# Altium PCB 2-quilter-output.PcbDoc (part 5 of 26)
Units mil, origin at the board's own origin, x right, y up, seen from the top; angles counter-clockwise.
Board outline 4130.55 x 4250 mil, 8 copper layers (L1, Ground L2, L3, Power L4, Ground L5, L6, Ground L7, L8), stack 62.985 mil thick; 591 components, 494 nets, 2245 pads, 1508 vias.
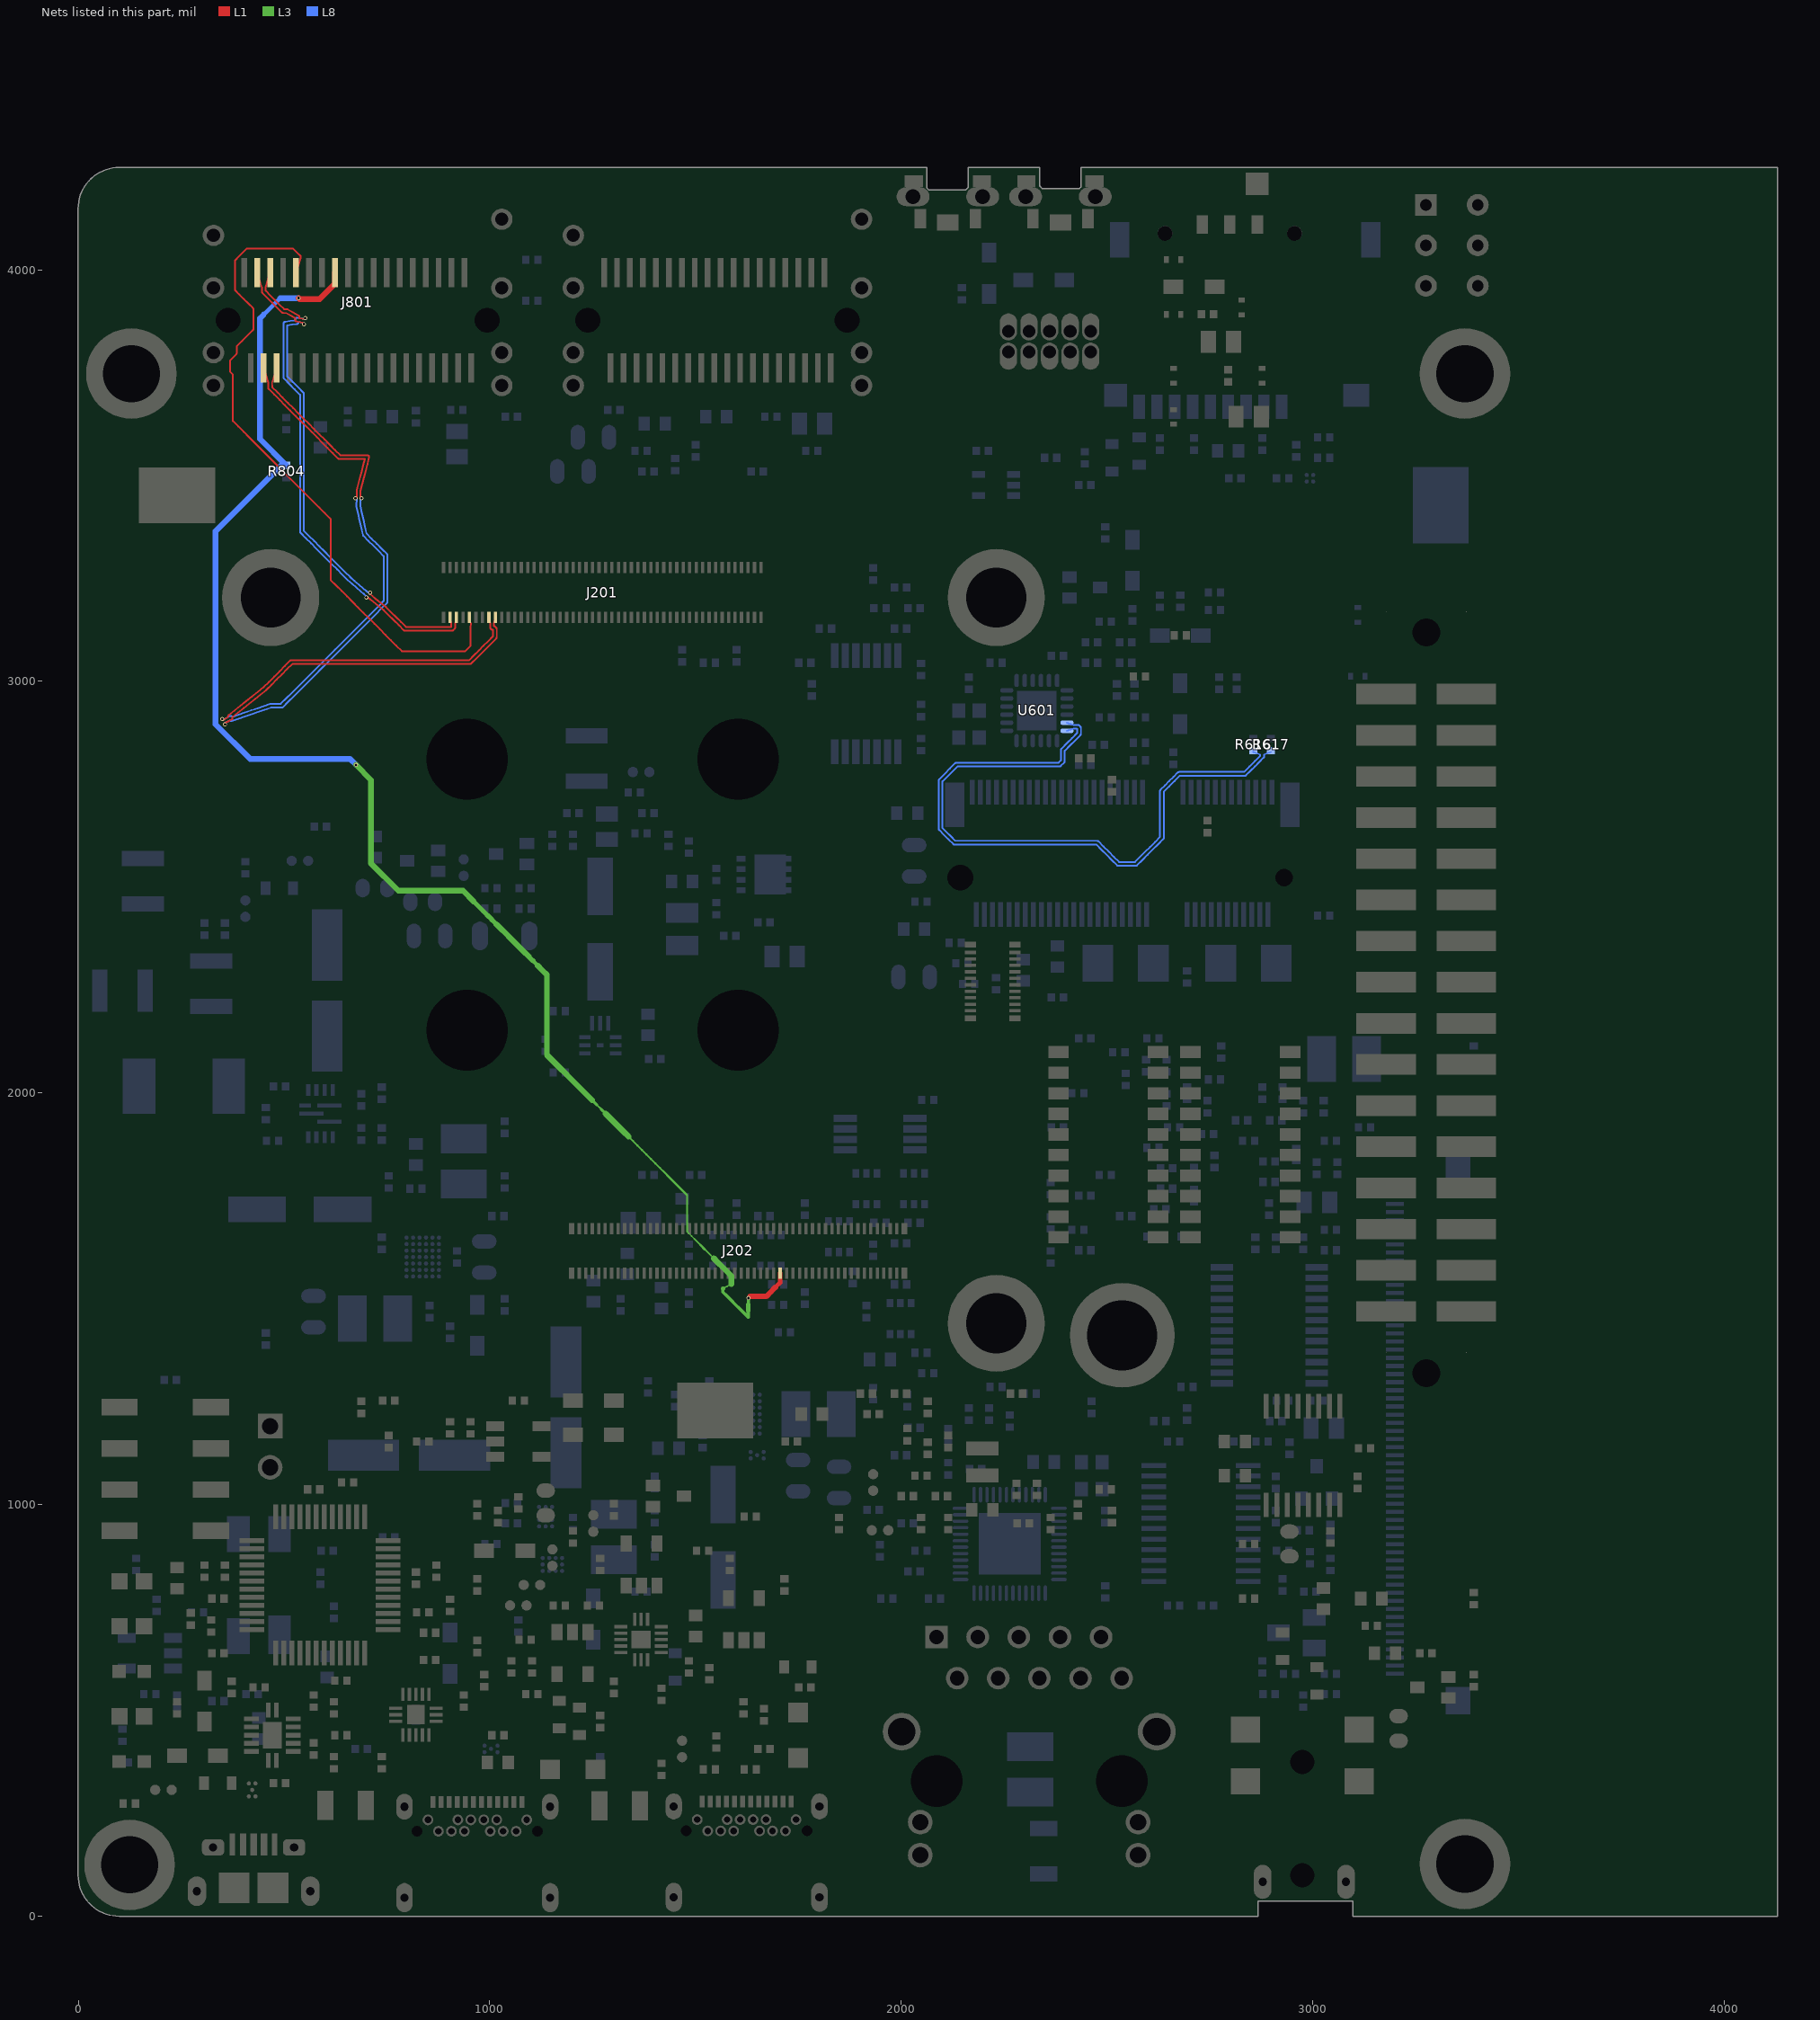
[diagram p11: the nets of this part, all layers, seen from the top]

## Via types
v1: diameter 9.85, hole 5.91, L1 to L8, tented both sides, 1508 vias

## Nets (pads, with @x,y where several pads share a name; then routed paths per layer and width w, separated by ;. In a path a pad name is that pad's centre, name@x,y a point inside that pad or via, vN(x,y) a via of type N, cw(c..) or ccw(c..) an arc to the next point about the centre after c; other vN are vias at no path point) (continued)
DIF1_N: R617.1 U601.18 | length 1581.6
  L8 w4.28: U601.18@2403.41,2879.65 2419.45,2884.85 2427.45,2884.84 2428.05,2884.25 2428.05,2874.35 2415.37,2861.67 2402.69,2848.99 2390.01,2836.31 2389.93,2836.23 2389.84,2836.14 2389.76,2836.04 2389.69,2835.95 2389.61,2835.85 2389.54,2835.76 2389.47,2835.66 2389.4,2835.56 2389.33,2835.45 2389.27,2835.35 2389.21,2835.24 2389.16,2835.13 2389.1,2835.02 2389.05,2834.91 2389,2834.8 2388.96,2834.69 2388.92,2834.57 2388.88,2834.46 2388.84,2834.34 2388.81,2834.22 2388.78,2834.1 2388.75,2833.99 2388.73,2833.87 2388.71,2833.75 2388.69,2833.63 2388.68,2833.5 2388.67,2833.38 2388.66,2833.26 2388.65,2833.14 2388.65,2833.03 2388.65,2820.45 2388.65,2807.88 2383.18,2802.4 2364.1,2802.4 2345.03,2802.4 2325.95,2802.4 2306.88,2802.4 2287.8,2802.4 2268.72,2802.4 2249.65,2802.4 2230.57,2802.4 2211.5,2802.4 2192.42,2802.4 2173.35,2802.4 2154.27,2802.4 2135.19,2802.4 2135.07,2802.4 2134.95,2802.4 2134.83,2802.39 2134.71,2802.38 2134.59,2802.36 2134.47,2802.34 2134.35,2802.32 2134.23,2802.3 2134.11,2802.27 2133.99,2802.24 2133.87,2802.21 2133.76,2802.17 2133.64,2802.13 2133.53,2802.09 2133.41,2802.05 2133.3,2802 2133.19,2801.95 2133.08,2801.89 2132.97,2801.84 2132.87,2801.78 2132.76,2801.71 2132.66,2801.65 2132.56,2801.58 2132.46,2801.51 2132.36,2801.44 2132.26,2801.36 2132.17,2801.28 2132.08,2801.2 2131.99,2801.12 2131.91,2801.04 2118.89,2788.02 2105.86,2774.99 2092.84,2761.97 2092.75,2761.88 2092.67,2761.79 2092.59,2761.7 2092.51,2761.61 2092.44,2761.51 2092.37,2761.41 2092.29,2761.31 2092.23,2761.21 2092.16,2761.11 2092.1,2761 2092.04,2760.9 2091.98,2760.79 2091.93,2760.68 2091.88,2760.57 2091.83,2760.46 2091.79,2760.34 2091.74,2760.23 2091.71,2760.11 2091.67,2760 2091.64,2759.88 2091.61,2759.76 2091.58,2759.64 2091.56,2759.52 2091.54,2759.4 2091.52,2759.28 2091.51,2759.16 2091.49,2759.04 2091.49,2758.92 2091.48,2758.8 2091.48,2758.69 2091.48,2741.97 2091.48,2725.25 2091.48,2708.53 2091.48,2691.8 2091.48,2675.08 2091.48,2658.36 2091.48,2641.64 2091.48,2641.52 2091.49,2641.4 2091.5,2641.28 2091.51,2641.15 2091.52,2641.03 2091.54,2640.91 2091.56,2640.79 2091.58,2640.67 2091.61,2640.55 2091.64,2640.44 2091.67,2640.32 2091.71,2640.2 2091.75,2640.09 2091.79,2639.97 2091.84,2639.86 2091.89,2639.75 2091.94,2639.64 2091.99,2639.53 2092.05,2639.42 2092.11,2639.31 2092.17,2639.21 2092.24,2639.1 2092.3,2639 2092.37,2638.9 2092.45,2638.81 2092.52,2638.71 2092.6,2638.62 2092.68,2638.53 2092.76,2638.44 2092.84,2638.36 2104.1,2627.1 2115.36,2615.84 2126.62,2604.58 2126.71,2604.49 2126.8,2604.41 2126.89,2604.33 2126.98,2604.25 2127.08,2604.18 2127.18,2604.1 2127.28,2604.03 2127.38,2603.97 2127.48,2603.9 2127.59,2603.84 2127.69,2603.78 2127.8,2603.72 2127.91,2603.67 2128.02,2603.62 2128.13,2603.57 2128.25,2603.53 2128.36,2603.48 2128.48,2603.44 2128.59,2603.41 2128.71,2603.38 2128.83,2603.35 2128.95,2603.32 2129.07,2603.3 2129.19,2603.28 2129.31,2603.26 2129.43,2603.24 2129.55,2603.23 2129.67,2603.23 2129.79,2603.22 2129.9,2603.22 2148.04,2603.22 2166.17,2603.22 2184.31,2603.22 2202.45,2603.22 2220.58,2603.22 2238.72,2603.22 2256.86,2603.22 2274.99,2603.22 2293.13,2603.22 2311.27,2603.22 2329.4,2603.22 2347.54,2603.22 2365.68,2603.22 2383.81,2603.22 2401.95,2603.22 2420.09,2603.22 2438.22,2603.22 2456.36,2603.22 2474.5,2603.22 2487.05,2590.66 2499.61,2578.11 2512.16,2565.55 2524.72,2552.99 2524.81,2552.91 2524.9,2552.83 2524.99,2552.75 2525.08,2552.67 2525.18,2552.59 2525.28,2552.52 2525.38,2552.45 2525.48,2552.38 2525.58,2552.32 2525.68,2552.26 2525.79,2552.2 2525.9,2552.14 2526.01,2552.09 2526.12,2552.03 2526.23,2551.99 2526.35,2551.94 2526.46,2551.9 2526.58,2551.86 2526.69,2551.82 2526.81,2551.79 2526.93,2551.76 2527.05,2551.74 2527.17,2551.71 2527.29,2551.69 2527.41,2551.67 2527.53,2551.66 2527.65,2551.65 2527.77,2551.64 2527.89,2551.64 2528,2551.64 2542.14,2551.64 2556.28,2551.64 2570.42,2551.64 2570.54,2551.64 2570.66,2551.64 2570.78,2551.65 2570.9,2551.66 2571.02,2551.68 2571.14,2551.69 2571.26,2551.71 2571.38,2551.74 2571.5,2551.77 2571.62,2551.8 2571.74,2551.83 2571.86,2551.86 2571.97,2551.9 2572.09,2551.95 2572.2,2551.99 2572.31,2552.04 2572.42,2552.09 2572.53,2552.15 2572.64,2552.2 2572.74,2552.26 2572.85,2552.33 2572.95,2552.39 2573.05,2552.46 2573.15,2552.53 2573.25,2552.6 2573.35,2552.68 2573.44,2552.76 2573.53,2552.84 2573.62,2552.92 2573.7,2552.99 2586.43,2565.73 2599.17,2578.47 2611.91,2591.21 2624.65,2603.94 2637.38,2616.68 2637.47,2616.77 2637.55,2616.86 2637.63,2616.95 2637.71,2617.04 2637.78,2617.14 2637.86,2617.24 2637.93,2617.34 2638,2617.44 2638.06,2617.54 2638.12,2617.65 2638.18,2617.75 2638.24,2617.86 2638.29,2617.97 2638.34,2618.08 2638.39,2618.19 2638.44,2618.31 2638.48,2618.42 2638.52,2618.54 2638.55,2618.65 2638.59,2618.77 2638.62,2618.89 2638.64,2619.01 2638.67,2619.13 2638.69,2619.25 2638.7,2619.37 2638.72,2619.49 2638.73,2619.61 2638.74,2619.73 2638.74,2619.85 2638.74,2619.96 2638.74,2638.55 2638.74,2657.14 2638.74,2675.74 2638.74,2694.33 2638.74,2712.92 2638.74,2731.51 2651.69,2744.46 2664.64,2757.41 2677.59,2770.36 2695.12,2770.36 2712.65,2770.36 2730.18,2770.36 2747.71,2770.36 2765.24,2770.36 2782.76,2770.36 2800.29,2770.36 2817.82,2770.36 2835.35,2770.36 2835.47,2770.36 2835.59,2770.37 2835.72,2770.37 2835.84,2770.39 2835.96,2770.4 2836.08,2770.42 2836.2,2770.44 2836.32,2770.46 2836.44,2770.49 2836.56,2770.52 2836.67,2770.55 2836.79,2770.59 2836.9,2770.63 2837.02,2770.67 2837.13,2770.72 2837.24,2770.76 2837.36,2770.82 2837.46,2770.87 2837.57,2770.93 2837.68,2770.99 2837.78,2771.05 2837.89,2771.11 2837.99,2771.18 2838.09,2771.25 2838.18,2771.33 2838.28,2771.4 2838.37,2771.48 2838.47,2771.56 2838.55,2771.64 2838.63,2771.72 2849.23,2782.32 2859.83,2792.92 2870.44,2803.52 2881.04,2814.12 2881.12,2814.21 2881.2,2814.3 2881.28,2814.39 2881.36,2814.49 2881.44,2814.58 2881.51,2814.68 2881.58,2814.78 2881.65,2814.88 2881.71,2814.99 2881.78,2815.09 2881.84,2815.2 2881.89,2815.3 2881.95,2815.41 2882,2815.52 2882.05,2815.64 2882.09,2815.75 2882.13,2815.86 2882.17,2815.98 2882.21,2816.1 2882.24,2816.21 2882.27,2816.33 2882.3,2816.45 2882.32,2816.57 2882.34,2816.69 2882.36,2816.81 2882.37,2816.93 2882.38,2817.06 2882.39,2817.18 2882.39,2817.3 2882.4,2817.41 2882.4,2822.2 R617.1@2898.98,2828.2
DIF1_P: R616.1 U601.17 | length 1566.6
  L8 w4.28: U601.17@2403.41,2899.33 2419.45,2894.13 2429.38,2894.12 2429.49,2894.12 2429.61,2894.12 2429.73,2894.11 2429.85,2894.1 2429.97,2894.08 2430.09,2894.07 2430.21,2894.05 2430.33,2894.02 2430.45,2894 2430.57,2893.97 2430.69,2893.93 2430.8,2893.9 2430.92,2893.86 2431.03,2893.82 2431.15,2893.77 2431.26,2893.72 2431.37,2893.67 2431.48,2893.62 2431.59,2893.56 2431.69,2893.5 2431.8,2893.44 2431.9,2893.38 2432,2893.31 2432.1,2893.24 2432.2,2893.16 2432.3,2893.09 2432.39,2893.01 2432.48,2892.93 2432.57,2892.85 2432.66,2892.76 2435.97,2889.45 2436.04,2889.38 2436.13,2889.29 2436.21,2889.2 2436.28,2889.1 2436.36,2889.01 2436.43,2888.91 2436.5,2888.81 2436.57,2888.71 2436.64,2888.61 2436.7,2888.5 2436.76,2888.39 2436.82,2888.29 2436.87,2888.18 2436.92,2888.07 2436.97,2887.95 2437.02,2887.84 2437.06,2887.73 2437.1,2887.61 2437.13,2887.49 2437.17,2887.38 2437.2,2887.26 2437.22,2887.14 2437.25,2887.02 2437.27,2886.9 2437.29,2886.78 2437.3,2886.66 2437.31,2886.54 2437.32,2886.42 2437.33,2886.29 2437.33,2886.17 2437.33,2872.43 2437.33,2872.32 2437.32,2872.2 2437.31,2872.07 2437.3,2871.95 2437.29,2871.83 2437.27,2871.71 2437.25,2871.59 2437.23,2871.47 2437.2,2871.35 2437.17,2871.23 2437.14,2871.12 2437.1,2871 2437.06,2870.88 2437.02,2870.77 2436.98,2870.66 2436.93,2870.54 2436.88,2870.43 2436.82,2870.32 2436.77,2870.22 2436.71,2870.11 2436.65,2870 2436.58,2869.9 2436.51,2869.8 2436.44,2869.7 2436.37,2869.6 2436.29,2869.51 2436.22,2869.41 2436.14,2869.32 2436.05,2869.23 2435.97,2869.14 2423.29,2856.47 2410.61,2843.79 2397.93,2831.11 2397.93,2818.53 2397.93,2805.96 2397.93,2805.85 2397.93,2805.73 2397.92,2805.6 2397.91,2805.48 2397.89,2805.36 2397.88,2805.24 2397.86,2805.12 2397.83,2805 2397.81,2804.88 2397.78,2804.76 2397.74,2804.65 2397.71,2804.53 2397.67,2804.41 2397.63,2804.3 2397.58,2804.19 2397.53,2804.07 2397.48,2803.96 2397.43,2803.85 2397.37,2803.75 2397.31,2803.64 2397.25,2803.53 2397.19,2803.43 2397.12,2803.33 2397.05,2803.23 2396.98,2803.13 2396.9,2803.04 2396.82,2802.94 2396.74,2802.85 2396.66,2802.76 2396.57,2802.67 2388.38,2794.48 2388.3,2794.41 2388.22,2794.32 2388.12,2794.24 2388.03,2794.16 2387.93,2794.09 2387.84,2794.01 2387.74,2793.94 2387.64,2793.88 2387.53,2793.81 2387.43,2793.75 2387.32,2793.69 2387.21,2793.63 2387.11,2793.58 2386.99,2793.53 2386.88,2793.48 2386.77,2793.43 2386.65,2793.39 2386.54,2793.35 2386.42,2793.31 2386.31,2793.28 2386.19,2793.25 2386.07,2793.22 2385.95,2793.2 2385.83,2793.18 2385.71,2793.16 2385.59,2793.15 2385.47,2793.14 2385.34,2793.13 2385.22,2793.12 2385.1,2793.12 2366.02,2793.12 2346.95,2793.12 2327.87,2793.12 2308.8,2793.12 2289.72,2793.12 2270.65,2793.12 2251.57,2793.12 2232.49,2793.12 2213.42,2793.12 2194.34,2793.12 2175.27,2793.12 2156.19,2793.12 2137.12,2793.12 2125,2781 2112.88,2768.88 2100.76,2756.77 2100.76,2737.9 2100.76,2719.03 2100.76,2700.16 2100.76,2681.3 2100.76,2662.43 2100.76,2643.56 2111.12,2633.21 2121.47,2622.85 2131.82,2612.5 2149.96,2612.5 2168.1,2612.5 2186.23,2612.5 2204.37,2612.5 2222.51,2612.5 2240.64,2612.5 2258.78,2612.5 2276.92,2612.5 2295.05,2612.5 2313.19,2612.5 2331.33,2612.5 2349.46,2612.5 2367.6,2612.5 2385.73,2612.5 2403.87,2612.5 2422.01,2612.5 2440.14,2612.5 2458.28,2612.5 2476.42,2612.5 2476.52,2612.5 2476.65,2612.49 2476.77,2612.49 2476.89,2612.48 2477.01,2612.46 2477.13,2612.44 2477.25,2612.42 2477.37,2612.4 2477.49,2612.37 2477.61,2612.34 2477.73,2612.31 2477.84,2612.28 2477.96,2612.24 2478.07,2612.19 2478.19,2612.15 2478.3,2612.1 2478.41,2612.05 2478.52,2612 2478.63,2611.94 2478.73,2611.88 2478.84,2611.82 2478.94,2611.75 2479.04,2611.69 2479.14,2611.62 2479.24,2611.54 2479.34,2611.47 2479.43,2611.39 2479.52,2611.31 2479.61,2611.23 2479.7,2611.14 2492.25,2598.58 2504.81,2586.03 2517.37,2573.47 2529.92,2560.92 2542.78,2560.92 2555.64,2560.92 2568.49,2560.92 2580.69,2573.11 2592.88,2585.3 2605.07,2597.5 2617.27,2609.69 2629.46,2621.88 2629.46,2640.47 2629.46,2659.07 2629.46,2677.66 2629.46,2696.25 2629.46,2714.84 2629.46,2733.43 2629.46,2733.54 2629.47,2733.66 2629.47,2733.78 2629.49,2733.9 2629.5,2734.03 2629.52,2734.15 2629.54,2734.27 2629.56,2734.39 2629.59,2734.51 2629.62,2734.62 2629.65,2734.74 2629.69,2734.86 2629.72,2734.97 2629.77,2735.09 2629.81,2735.2 2629.86,2735.31 2629.91,2735.42 2629.96,2735.53 2630.02,2735.64 2630.08,2735.75 2630.14,2735.85 2630.21,2735.96 2630.28,2736.06 2630.35,2736.16 2630.42,2736.26 2630.49,2736.35 2630.57,2736.44 2630.65,2736.54 2630.74,2736.63 2630.82,2736.71 2641.21,2747.11 2651.6,2757.5 2662,2767.89 2672.39,2778.28 2672.47,2778.36 2672.55,2778.44 2672.65,2778.52 2672.74,2778.6 2672.84,2778.67 2672.93,2778.75 2673.03,2778.82 2673.13,2778.89 2673.24,2778.95 2673.34,2779.01 2673.45,2779.07 2673.56,2779.13 2673.66,2779.18 2673.77,2779.24 2673.89,2779.28 2674,2779.33 2674.11,2779.37 2674.23,2779.41 2674.35,2779.45 2674.46,2779.48 2674.58,2779.51 2674.7,2779.54 2674.82,2779.56 2674.94,2779.58 2675.06,2779.6 2675.18,2779.61 2675.3,2779.63 2675.43,2779.63 2675.55,2779.64 2675.67,2779.64 2693.2,2779.64 2710.73,2779.64 2728.26,2779.64 2745.78,2779.64 2763.31,2779.64 2780.84,2779.64 2798.37,2779.64 2815.9,2779.64 2833.43,2779.64 2846.66,2792.87 2859.89,2806.1 2873.12,2819.33 2873.12,2822.2 R616.1@2856.54,2828.2
DSI_BL_PWM: J202.64 J801.B8 R804.2 | length 3732.9
  L1 w7.92: v1(1628.7,1501.12) 1632.79,1505.21
  L1 w10.99: 1694.87,1527.47 1706,1538.6 1706,1550.26 J202.64@1705.99,1561.94
  L1 w13.03: 1632.79,1505.21 1646.06,1505.21 1659.34,1505.21 1672.61,1505.21 1683.74,1516.34 1694.87,1527.47
  L1 w14.05: v1(535.5,3931.26) 537.86,3928.9 586.55,3928.9 623.94,3966.29 J801.B8@623.94,3993.5
  L3 w3.83: 1480.09,1662.38 1490.79,1651.68 1501.5,1640.97 1512.2,1630.27 ; 1522.91,1619.56 1533.62,1608.85 1544.32,1598.15 ; 1566.82,1524.05 1576.98,1529.54 1587.14,1535.02
  L3 w4.85: 1260.07,1971.07 1271.07,1960.07 ; 1337.08,1894.06 1348.08,1883.06 1359.08,1872.06 1370.08,1861.06 1381.08,1850.06 1392.08,1839.06 1403.08,1828.06 1414.08,1817.06 1425.08,1806.06 1436.08,1795.06 1447.08,1784.06 1458.08,1773.06 1469.09,1762.05 1480.09,1751.05 1480.09,1736.27 1480.09,1721.5 1480.09,1706.72 1480.09,1691.94 1480.09,1677.16 1480.09,1662.38
  L3 w5.87: 1512.2,1630.27 1522.91,1619.56
  L3 w6.9: 1271.07,1960.07 1282.07,1949.07
  L3 w7.92: 1249.07,1982.07 1260.07,1971.07 ; 1566.81,1524.05 1566.81,1516 1577.01,1505.81 1587.2,1495.62 1597.39,1485.43 1607.58,1475.23 1617.78,1465.04 1627.97,1454.85 1628.69,1454.85 ; 1628.7,1485.7 v1(1628.7,1501.12)
  L3 w8.94: 1628.7,1454.85 1628.7,1470.28
  L3 w9.96: 1105.66,2320.36 1116.79,2309.22
  L3 w10.99: 960.94,2465.08 972.07,2453.95 983.2,2442.81 994.33,2431.68 ; 1005.47,2420.55 1016.6,2409.42 ; 1628.7,1470.28 1628.7,1485.7
  L3 w12.01: 994.33,2431.68 1005.47,2420.55 ; 1094.53,2331.49 1105.66,2320.36
  L3 w14.05: v1(675.08,2796.74) 711.67,2760.16 711.67,2557.29 778.05,2490.9 935.11,2490.9 960.94,2465.08 ; 1016.6,2409.42 1027.73,2398.28 1038.86,2387.15 1050,2376.02 1061.13,2364.89 1072.26,2353.75 1083.39,2342.62 1094.53,2331.49 ; 1116.79,2309.22 1127.92,2298.09 1139.06,2286.96 1139.06,2092.08 1150.06,2081.08 1161.06,2070.08 1172.06,2059.08 1183.06,2048.08 1194.06,2037.08 1205.07,2026.07 1216.07,2015.07 1227.07,2004.07 1238.07,1993.07 1249.07,1982.07 ; 1282.07,1949.07 1293.07,1938.07 1304.07,1927.07 1315.07,1916.07 1326.07,1905.07 1337.08,1894.06 ; 1544.32,1598.15 1555.03,1587.44 1565.73,1576.74 1576.44,1566.03 1587.14,1555.32 1587.14,1535.04
  L8 w9.96: 451.21,3891.7 461.1,3901.59 470.99,3911.48 480.88,3921.37 490.76,3931.26
  L8 w13.03: 441.32,3881.81 451.21,3891.7
  L8 w14.05: 441.32,3881.81 441.32,3589.06 R804.2@505.58,3524.78 493.43,3524.78 333.38,3364.74 333.38,2895.71 417.45,2811.64 660.18,2811.64 v1(675.08,2796.74) ; 490.76,3931.26 v1(535.5,3931.26)
DSI_CK_N: J201.15 J801.A2 | length 2023.9
  L1 w4.28: v1(349.76,2908.4) 351.1,2905.95 364.11,2913.07 364.09,2913.18 364.06,2913.29 364.04,2913.42 364.03,2913.54 364.01,2913.66 364,2913.78 363.99,2913.9 363.99,2914.02 363.99,2914.14 363.99,2914.27 363.99,2914.39 364,2914.51 364.01,2914.63 364.03,2914.75 364.05,2914.87 364.07,2914.99 364.09,2915.11 364.12,2915.23 364.15,2915.35 364.18,2915.47 364.22,2915.58 364.26,2915.7 364.3,2915.81 364.35,2915.93 364.4,2916.04 364.45,2916.15 364.5,2916.26 364.56,2916.37 364.62,2916.47 364.68,2916.58 364.75,2916.68 364.82,2916.78 364.89,2916.88 364.96,2916.98 365.04,2917.07 365.11,2917.17 365.19,2917.26 365.28,2917.35 365.36,2917.43 365.45,2917.52 365.54,2917.6 365.63,2917.68 365.73,2917.76 379.86,2929.07 394,2940.39 408.13,2951.71 422.27,2963.03 436.4,2974.34 450.54,2985.66 463.44,2998.56 476.34,3011.46 489.24,3024.36 502.14,3037.26 515.04,3050.16 515.12,3050.24 515.21,3050.32 515.3,3050.4 515.39,3050.48 515.49,3050.56 515.59,3050.63 515.69,3050.7 515.79,3050.77 515.89,3050.83 516,3050.9 516.1,3050.96 516.21,3051.01 516.32,3051.07 516.43,3051.12 516.54,3051.17 516.65,3051.21 516.77,3051.25 516.88,3051.29 517,3051.33 517.12,3051.36 517.24,3051.39 517.36,3051.42 517.47,3051.44 517.59,3051.47 517.72,3051.48 517.84,3051.5 517.96,3051.51 518.08,3051.52 518.2,3051.52 518.32,3051.52 537.11,3051.52 555.89,3051.52 574.68,3051.52 593.46,3051.52 612.24,3051.52 631.03,3051.52 649.81,3051.52 668.6,3051.52 687.38,3051.52 706.16,3051.52 724.95,3051.52 743.73,3051.52 762.51,3051.52 781.3,3051.52 800.08,3051.52 818.87,3051.52 837.65,3051.52 856.43,3051.52 875.22,3051.52 894,3051.52 912.79,3051.52 931.57,3051.52 950.35,3051.52 961.89,3063.06 973.43,3074.6 984.97,3086.14 996.51,3097.68 1008.05,3109.21 1008.05,3124.74 1007.59,3125.19 1006.82,3125.19 1006.71,3125.19 1006.59,3125.19 1006.47,3125.2 1006.34,3125.21 1006.22,3125.23 1006.1,3125.24 1005.98,3125.26 1005.86,3125.29 1005.74,3125.32 1005.63,3125.34 1005.51,3125.38 1005.39,3125.41 1005.28,3125.45 1005.16,3125.49 1005.05,3125.54 1004.94,3125.59 1004.82,3125.64 1004.72,3125.69 1004.61,3125.75 1004.5,3125.81 1004.4,3125.87 1004.29,3125.94 1004.19,3126 1004.09,3126.07 1003.99,3126.15 1003.9,3126.22 1003.8,3126.3 1003.71,3126.38 1003.62,3126.46 1003.54,3126.55 1002.64,3127.45 1002.56,3127.53 1002.48,3127.61 1002.4,3127.71 1002.32,3127.8 1002.24,3127.9 1002.17,3127.99 1002.1,3128.09 1002.03,3128.19 1001.97,3128.3 1001.9,3128.4 1001.84,3128.51 1001.79,3128.62 1001.73,3128.72 1001.68,3128.84 1001.63,3128.95 1001.59,3129.06 1001.55,3129.18 1001.51,3129.29 1001.47,3129.41 1001.44,3129.52 1001.41,3129.64 1001.38,3129.76 1001.36,3129.88 1001.34,3130 1001.32,3130.12 1001.3,3130.24 1001.29,3130.36 1001.29,3130.49 1001.28,3130.61 1001.28,3130.73 1001.28,3141.14 J201.15@998.05,3150.49 ; J801.A2@450.71,3761.22 456.26,3743.45 461.82,3725.67 461.91,3713.17 461.92,3713.05 461.92,3712.93 461.93,3712.8 461.94,3712.68 461.96,3712.56 461.98,3712.44 462,3712.32 462.02,3712.2 462.05,3712.08 462.08,3711.97 462.12,3711.85 462.15,3711.73 462.19,3711.62 462.24,3711.5 462.28,3711.39 462.33,3711.28 462.38,3711.17 462.44,3711.06 462.5,3710.95 462.56,3710.85 462.62,3710.74 462.69,3710.64 462.76,3710.54 462.83,3710.44 462.9,3710.34 462.98,3710.25 463.06,3710.15 463.14,3710.06 463.22,3709.98 463.27,3709.92 476.23,3696.96 489.19,3684 502.16,3671.04 515.12,3658.08 528.08,3645.12 541.04,3632.16 554,3619.19 566.96,3606.23 579.93,3593.27 592.89,3580.31 605.85,3567.35 618.81,3554.39 631.77,3541.43 631.86,3541.34 631.95,3541.26 632.04,3541.18 632.13,3541.1 632.23,3541.02 632.33,3540.95 632.43,3540.88 632.53,3540.81 632.63,3540.75 632.74,3540.69 632.84,3540.63 632.95,3540.57 633.06,3540.52 633.17,3540.46 633.28,3540.42 633.4,3540.37 633.51,3540.33 633.63,3540.29 633.74,3540.25 633.86,3540.22 633.98,3540.19 634.1,3540.17 634.22,3540.14 634.34,3540.12 634.46,3540.1 634.58,3540.09 634.7,3540.08 634.82,3540.07 634.94,3540.07 635.05,3540.07 650.4,3540.07 665.75,3540.07 681.1,3540.07 696.45,3540.07 692.56,3525.05 688.67,3510.04 684.78,3495.02 680.89,3480.01 677,3465 676.97,3464.88 676.94,3464.76 676.92,3464.64 676.9,3464.52 676.89,3464.4 676.87,3464.28 676.86,3464.16 676.86,3464.03 676.85,3463.91 676.54,3444.85 v1(673.75,3444.9)
  L8 w4.28: v1(349.76,2908.4) 351.1,2905.95 359.57,2910.58 368.04,2915.21 368.12,2915.26 368.23,2915.31 368.34,2915.36 368.45,2915.41 368.56,2915.46 368.68,2915.5 368.79,2915.54 368.91,2915.58 369.03,2915.61 369.14,2915.64 369.26,2915.67 369.38,2915.7 369.5,2915.72 369.62,2915.74 369.74,2915.75 369.87,2915.76 369.99,2915.77 370.11,2915.78 370.23,2915.78 370.35,2915.78 370.48,2915.78 370.6,2915.77 370.72,2915.76 370.84,2915.74 370.96,2915.73 371.08,2915.71 371.2,2915.68 371.32,2915.66 371.44,2915.63 371.56,2915.6 371.67,2915.56 371.79,2915.52 371.9,2915.48 372.02,2915.44 372.13,2915.39 372.24,2915.34 372.35,2915.29 372.46,2915.23 372.56,2915.17 372.67,2915.11 372.77,2915.04 372.87,2914.98 372.97,2914.91 373.07,2914.83 373.17,2914.76 373.26,2914.68 373.35,2914.6 373.44,2914.52 373.53,2914.43 373.62,2914.35 373.7,2914.26 373.78,2914.17 373.86,2914.07 373.94,2913.98 374.01,2913.88 374.08,2913.78 389.47,2918.96 404.85,2924.15 420.24,2929.34 435.62,2934.53 451.01,2939.71 466.39,2944.9 ; 466.44,2944.92 466.55,2944.95 466.67,2944.99 466.79,2945.01 466.91,2945.04 467.03,2945.07 467.15,2945.09 467.27,2945.1 467.39,2945.12 467.51,2945.13 467.63,2945.14 467.75,2945.14 467.88,2945.14 480.13,2945.14 492.39,2945.14 505.55,2958.31 518.71,2971.47 531.88,2984.63 545.04,2997.79 558.2,3010.95 571.36,3024.11 584.52,3037.28 597.68,3050.44 610.85,3063.6 624.01,3076.76 637.17,3089.92 650.33,3103.08 663.49,3116.25 676.65,3129.41 689.82,3142.57 702.98,3155.73 716.14,3168.89 729.3,3182.05 742.46,3195.22 742.46,3213.39 742.46,3231.57 742.46,3249.75 742.46,3267.93 742.46,3286.1 742.46,3304.28 730.1,3316.64 717.74,3329.01 705.38,3341.37 693.01,3353.73 692.97,3353.77 692.89,3353.86 692.81,3353.95 692.73,3354.05 692.65,3354.14 692.58,3354.24 692.5,3354.34 692.44,3354.44 692.37,3354.54 692.31,3354.64 692.24,3354.75 692.19,3354.86 692.13,3354.96 692.08,3355.07 692.03,3355.19 691.98,3355.3 691.94,3355.41 691.9,3355.53 691.86,3355.64 691.83,3355.76 691.79,3355.88 691.77,3356 687.91,3373.17 684.05,3390.35 680.2,3407.53 676.34,3424.71 676.32,3424.83 676.29,3424.95 676.27,3425.07 676.26,3425.19 676.25,3425.31 676.24,3425.43 676.23,3425.56 676.23,3425.68 676.23,3425.8 676.54,3444.85 v1(673.75,3444.9)
DSI_CK_P: J201.17 J801.A3 | length 2046.7
  L1 w4.28: v1(356.88,2895.36) 355.55,2897.81 364.02,2902.44 372.49,2907.07 372.6,2907.13 372.7,2907.19 372.8,2907.26 372.9,2907.32 373,2907.4 373.1,2907.47 373.2,2907.54 373.29,2907.62 373.38,2907.7 373.47,2907.79 373.56,2907.87 373.64,2907.96 373.73,2908.05 373.81,2908.14 373.88,2908.24 373.96,2908.33 374.03,2908.43 374.1,2908.53 374.17,2908.63 374.23,2908.74 374.29,2908.84 374.35,2908.95 374.41,2909.06 374.46,2909.16 374.51,2909.28 374.56,2909.39 374.61,2909.5 374.65,2909.62 374.69,2909.73 374.72,2909.85 374.75,2909.97 374.78,2910.08 374.81,2910.2 374.83,2910.32 374.85,2910.44 374.87,2910.56 374.88,2910.69 374.89,2910.81 374.9,2910.93 374.9,2911.05 374.9,2911.17 374.9,2911.29 374.9,2911.42 374.89,2911.54 374.87,2911.66 374.86,2911.78 374.84,2911.9 374.82,2912.02 374.79,2912.14 374.77,2912.26 374.74,2912.38 374.7,2912.49 374.67,2912.61 374.62,2912.73 374.58,2912.84 374.54,2912.93 388.21,2923.87 401.88,2934.81 415.54,2945.75 429.21,2956.69 442.87,2967.64 456.54,2978.58 456.63,2978.66 456.73,2978.74 456.82,2978.82 456.9,2978.9 469.59,2991.58 482.25,3004.25 494.92,3016.91 507.58,3029.58 520.25,3042.24 539.03,3042.24 557.81,3042.24 576.6,3042.24 595.38,3042.24 614.17,3042.24 632.95,3042.24 651.73,3042.24 670.52,3042.24 689.3,3042.24 708.09,3042.24 726.87,3042.24 745.65,3042.24 764.44,3042.24 783.22,3042.24 802,3042.24 820.79,3042.24 839.57,3042.24 858.36,3042.24 877.14,3042.24 895.92,3042.24 914.71,3042.24 933.49,3042.24 952.28,3042.24 952.4,3042.24 952.52,3042.25 952.64,3042.26 952.76,3042.27 952.88,3042.28 953.01,3042.3 953.13,3042.32 953.24,3042.35 953.36,3042.37 953.48,3042.4 953.6,3042.44 953.72,3042.47 953.83,3042.51 953.95,3042.55 954.06,3042.6 954.17,3042.65 954.28,3042.7 954.39,3042.75 954.5,3042.81 954.6,3042.87 954.71,3042.93 954.81,3043 954.91,3043.07 955.01,3043.14 955.11,3043.21 955.21,3043.28 955.3,3043.36 955.39,3043.44 955.48,3043.53 955.56,3043.6 967.64,3055.68 979.72,3067.77 991.8,3079.85 1003.88,3091.93 1015.97,3104.01 1016.05,3104.1 1016.13,3104.19 1016.21,3104.28 1016.29,3104.37 1016.37,3104.47 1016.44,3104.57 1016.51,3104.67 1016.58,3104.77 1016.64,3104.87 1016.71,3104.98 1016.77,3105.08 1016.82,3105.19 1016.88,3105.3 1016.93,3105.41 1016.98,3105.52 1017.02,3105.64 1017.06,3105.75 1017.1,3105.87 1017.14,3105.98 1017.17,3106.1 1017.2,3106.22 1017.23,3106.34 1017.25,3106.46 1017.27,3106.58 1017.29,3106.7 1017.3,3106.82 1017.31,3106.94 1017.32,3107.06 1017.32,3107.19 1017.33,3107.29 1017.33,3116.97 1017.33,3126.66 1017.32,3126.78 1017.32,3126.9 1017.31,3127.02 1017.3,3127.14 1017.29,3127.27 1017.27,3127.39 1017.25,3127.51 1017.22,3127.63 1017.2,3127.74 1017.17,3127.86 1017.13,3127.98 1017.1,3128.1 1017.06,3128.21 1017.01,3128.33 1016.97,3128.44 1016.92,3128.55 1016.87,3128.66 1016.82,3128.77 1016.76,3128.88 1016.7,3128.99 1016.64,3129.09 1016.57,3129.19 1016.5,3129.29 1016.43,3129.39 1016.36,3129.49 1016.28,3129.59 1016.21,3129.68 1016.12,3129.77 1016.04,3129.86 1015.97,3129.94 1012.8,3133.11 1012.71,3133.19 1012.62,3133.28 1012.53,3133.36 1012.43,3133.44 1012.34,3133.51 1012.24,3133.58 1012.14,3133.65 1012.04,3133.72 1011.93,3133.79 1011.83,3133.85 1011.72,3133.91 1011.62,3133.97 1011.51,3134.02 1011.4,3134.07 1011.28,3134.12 1011.17,3134.16 1011.06,3134.21 1010.94,3134.24 1010.82,3134.28 1010.71,3134.31 1010.59,3134.34 ; J801.A3@482.21,3761.22 476.65,3743.48 471.1,3725.74 471.18,3715.14 483.93,3702.39 496.69,3689.64 509.44,3676.88 522.19,3664.13 534.95,3651.37 547.7,3638.62 560.45,3625.87 573.21,3613.11 585.96,3600.36 598.71,3587.61 611.47,3574.85 624.22,3562.1 636.97,3549.35 653.34,3549.35 669.71,3549.35 686.08,3549.35 702.45,3549.35 ; v1(688.6,3444.66) 685.82,3444.7 686.12,3463.2 690.28,3479.27 694.45,3495.34 698.61,3511.41 702.77,3527.47 706.94,3543.54 706.97,3543.66 706.99,3543.78 707.01,3543.9 707.03,3544.02 707.05,3544.14 707.06,3544.26 707.07,3544.38 707.08,3544.51 707.09,3544.63 707.09,3544.75 707.08,3544.87 707.08,3544.99 707.07,3545.11 707.06,3545.24 707.04,3545.36 707.02,3545.48 707,3545.6 706.97,3545.72 706.95,3545.84 706.91,3545.95 706.88,3546.07 706.84,3546.19 706.8,3546.3 706.76,3546.42 706.71,3546.53 706.66,3546.64 706.61,3546.75 706.56,3546.86 706.5,3546.97 706.44,3547.07 706.37,3547.18 706.31,3547.28 706.24,3547.38 706.17,3547.48 706.09,3547.57 706.02,3547.67 705.94,3547.76 705.86,3547.85 705.77,3547.94 705.69,3548.03 705.6,3548.11 705.51,3548.19 705.41,3548.27 705.32,3548.35 705.22,3548.42 705.12,3548.5 705.02,3548.56 704.92,3548.63 704.82,3548.69 704.71,3548.76 704.6,3548.81 704.5,3548.87 704.38,3548.92 704.27,3548.97 704.16,3549.02 704.05,3549.06 703.93,3549.1 703.82,3549.14 703.7,3549.17 703.58,3549.21 703.46,3549.23 703.34,3549.26 703.22,3549.28 703.1,3549.3 702.98,3549.32 702.86,3549.33 702.74,3549.34 702.62,3549.34 702.49,3549.35 ; 1010.56,3134.35 1010.57,3141.14 J201.17@1013.8,3150.49
  L8 w4.28: v1(356.88,2895.36) 355.55,2897.81 368.56,2904.92 368.63,2904.85 368.72,2904.77 368.81,2904.68 368.9,2904.6 369,2904.53 369.09,2904.45 369.19,2904.38 369.29,2904.31 369.39,2904.24 369.5,2904.18 369.6,2904.11 369.71,2904.06 369.82,2904 369.93,2903.95 370.04,2903.9 370.15,2903.85 370.26,2903.8 370.38,2903.76 370.49,2903.72 370.61,2903.69 370.73,2903.66 370.85,2903.63 370.96,2903.6 371.08,2903.58 371.2,2903.56 371.33,2903.54 371.45,2903.53 371.57,2903.52 371.69,2903.51 371.81,2903.51 371.93,2903.51 372.06,2903.51 372.18,2903.51 372.3,2903.52 372.42,2903.53 372.54,2903.55 372.66,2903.57 372.78,2903.59 372.9,2903.61 373.02,2903.64 373.14,2903.67 373.26,2903.71 373.37,2903.74 ; 373.38,2903.75 389.26,2909.1 405.13,2914.45 421.01,2919.81 436.89,2925.16 452.76,2930.51 468.64,2935.86 481.47,2935.86 494.31,2935.86 494.43,2935.87 494.56,2935.87 494.68,2935.88 494.8,2935.89 494.92,2935.9 495.04,2935.92 495.16,2935.94 495.28,2935.97 495.4,2935.99 495.52,2936.02 495.64,2936.06 495.75,2936.09 495.87,2936.13 495.98,2936.17 496.09,2936.22 496.21,2936.27 496.32,2936.32 496.43,2936.37 496.53,2936.43 496.64,2936.49 496.75,2936.55 496.85,2936.62 496.95,2936.69 497.05,2936.76 497.15,2936.83 497.24,2936.91 497.34,2936.98 497.43,2937.07 497.52,2937.15 497.59,2937.22 510.9,2950.53 524.2,2963.83 537.51,2977.14 550.81,2990.44 564.12,3003.75 577.42,3017.05 590.73,3030.36 604.03,3043.66 617.34,3056.97 630.64,3070.27 643.95,3083.58 657.25,3096.88 670.56,3110.18 683.86,3123.49 697.17,3136.79 710.47,3150.1 723.77,3163.4 737.08,3176.71 750.38,3190.01 750.47,3190.1 750.55,3190.19 750.63,3190.28 750.71,3190.38 750.79,3190.47 750.86,3190.57 750.93,3190.67 751,3190.77 751.06,3190.87 751.12,3190.98 751.18,3191.09 751.24,3191.19 751.29,3191.3 751.34,3191.41 751.39,3191.53 751.44,3191.64 751.48,3191.75 751.52,3191.87 751.55,3191.99 751.59,3192.1 751.62,3192.22 751.64,3192.34 751.67,3192.46 751.69,3192.58 751.71,3192.7 751.72,3192.82 751.73,3192.94 751.74,3193.07 751.74,3193.19 751.74,3193.29 751.74,3212.11 751.74,3230.93 751.74,3249.75 751.74,3268.57 751.74,3287.39 751.74,3306.2 751.74,3306.33 751.74,3306.45 751.73,3306.57 751.72,3306.69 751.7,3306.81 751.69,3306.93 751.66,3307.05 751.64,3307.17 751.61,3307.29 751.58,3307.41 751.55,3307.53 751.51,3307.64 751.47,3307.76 751.43,3307.87 751.39,3307.99 751.34,3308.1 751.29,3308.21 751.23,3308.32 751.18,3308.43 751.12,3308.53 751.05,3308.64 750.99,3308.74 750.92,3308.84 750.85,3308.94 750.78,3309.04 750.7,3309.13 750.62,3309.23 750.54,3309.32 750.46,3309.41 750.38,3309.49 737.92,3321.95 725.46,3334.41 712.99,3346.88 700.53,3359.34 696.77,3376.06 693.02,3392.77 689.27,3409.49 685.52,3426.2 685.82,3444.7 v1(688.6,3444.66)
DSI_D0_N: J201.3 J801.B2 | length 1225.7
  L1 w4.28: J801.B2@434.97,3993.5 440.51,3975.74 446.07,3957.97 446.12,3947.15 446.12,3947.03 446.12,3946.91 446.13,3946.79 446.14,3946.67 446.16,3946.55 446.18,3946.43 446.2,3946.31 446.22,3946.19 446.25,3946.07 446.28,3945.95 446.31,3945.83 446.35,3945.72 446.39,3945.6 446.43,3945.49 446.48,3945.37 446.53,3945.26 446.58,3945.15 446.63,3945.04 446.69,3944.93 446.75,3944.83 446.82,3944.72 446.88,3944.62 446.95,3944.52 447.02,3944.42 447.09,3944.32 447.17,3944.23 447.25,3944.14 447.33,3944.04 447.41,3943.95 447.47,3943.89 459.38,3931.99 471.28,3920.08 483.19,3908.18 495.09,3896.27 495.18,3896.19 495.27,3896.1 495.36,3896.02 495.46,3895.95 495.55,3895.87 495.65,3895.8 495.75,3895.73 495.85,3895.66 495.96,3895.59 496.06,3895.53 496.17,3895.47 496.27,3895.42 496.38,3895.36 496.49,3895.31 496.61,3895.26 496.72,3895.22 496.83,3895.18 496.95,3895.14 497.07,3895.1 497.18,3895.07 497.3,3895.04 497.42,3895.01 497.54,3894.99 497.66,3894.97 497.78,3894.95 497.9,3894.94 498.02,3894.93 498.15,3894.92 498.27,3894.91 498.38,3894.91 505.52,3894.91 516.63,3888.68 527.74,3882.45 527.2,3879.71 527.18,3879.59 527.16,3879.47 527.15,3879.35 527.13,3879.23 527.13,3879.11 527.12,3878.99 527.12,3878.87 527.12,3878.74 527.12,3878.62 527.13,3878.5 527.14,3878.38 527.15,3878.26 527.17,3878.14 527.19,3878.02 527.21,3877.9 527.24,3877.78 527.27,3877.66 527.3,3877.54 527.33,3877.42 527.37,3877.31 527.41,3877.19 527.46,3877.08 527.5,3876.97 527.55,3876.86 527.61,3876.75 527.66,3876.64 527.72,3876.53 527.78,3876.43 527.85,3876.32 527.92,3876.22 527.99,3876.12 528.06,3876.02 528.13,3875.93 528.21,3875.83 528.29,3875.74 528.37,3875.65 528.46,3875.56 528.54,3875.48 528.63,3875.39 528.72,3875.31 528.82,3875.23 528.91,3875.16 529.01,3875.08 529.11,3875.01 529.21,3874.95 529.31,3874.88 529.42,3874.82 529.52,3874.76 529.63,3874.7 529.74,3874.64 529.85,3874.59 529.96,3874.54 530.08,3874.5 530.19,3874.46 530.31,3874.42 530.42,3874.38 530.54,3874.35 530.66,3874.32 530.78,3874.29 530.87,3874.27 549.14,3870.7 v1(548.61,3867.97) ; v1(709.55,3215.26) 707.76,3213.12 715.28,3206.85 722.8,3200.57 735.51,3190.32 748.22,3180.07 748.31,3179.99 748.41,3179.91 748.5,3179.82 748.58,3179.74 760.51,3167.81 772.44,3155.89 784.36,3143.96 796.29,3132.03 814.59,3132.03 832.88,3132.03 851.18,3132.03 869.48,3132.03 887.78,3132.03 906.08,3132.03 906.8,3132.75 906.8,3141.14 J201.3@903.56,3150.49
  L8 w4.28: v1(548.61,3867.97) 549.14,3870.7 535.42,3873.38 535.13,3871.91 535.12,3871.83 535.09,3871.71 535.06,3871.59 535.03,3871.48 534.99,3871.36 534.95,3871.25 534.91,3871.13 534.87,3871.02 534.82,3870.91 534.77,3870.79 534.71,3870.69 534.65,3870.58 534.59,3870.47 534.53,3870.37 534.47,3870.26 534.4,3870.16 534.33,3870.06 534.26,3869.97 534.18,3869.87 534.1,3869.78 534.02,3869.68 533.94,3869.59 533.85,3869.51 533.77,3869.42 533.68,3869.34 533.58,3869.26 533.49,3869.18 533.39,3869.11 533.3,3869.03 533.2,3868.96 533.09,3868.9 532.99,3868.83 532.89,3868.77 532.78,3868.71 532.67,3868.65 532.56,3868.6 532.45,3868.55 532.34,3868.5 532.22,3868.46 532.11,3868.42 531.99,3868.38 531.88,3868.34 531.76,3868.31 531.64,3868.28 531.52,3868.25 531.4,3868.23 531.28,3868.21 531.16,3868.19 519.67,3866.74 508.17,3865.28 508.17,3847.47 508.17,3829.66 508.17,3811.85 508.17,3794.04 508.17,3776.23 508.17,3758.42 508.17,3740.61 521.13,3727.64 534.1,3714.68 547.06,3701.71 547.14,3701.64 547.22,3701.55 547.3,3701.45 547.38,3701.36 547.46,3701.26 547.53,3701.17 547.6,3701.07 547.67,3700.97 547.73,3700.86 547.8,3700.76 547.86,3700.65 547.91,3700.54 547.97,3700.44 548.02,3700.33 548.07,3700.21 548.11,3700.1 548.15,3699.99 548.19,3699.87 548.23,3699.75 548.26,3699.64 548.29,3699.52 548.32,3699.4 548.34,3699.28 548.36,3699.16 548.38,3699.04 548.4,3698.92 548.41,3698.8 548.42,3698.67 548.42,3698.55 548.42,3698.43 548.42,3679.94 548.42,3661.45 548.42,3642.96 548.42,3624.47 548.42,3605.98 548.42,3587.49 548.42,3569 548.42,3550.5 548.42,3532.01 548.42,3513.52 548.42,3495.03 548.42,3476.54 548.42,3458.05 548.42,3439.56 548.42,3421.07 548.42,3402.58 548.42,3384.09 548.42,3365.6 560.91,3353.11 573.4,3340.62 585.89,3328.13 598.38,3315.64 610.87,3303.15 623.36,3290.66 635.84,3278.17 648.33,3265.68 660.82,3253.2 671.46,3244.01 682.11,3234.83 692.75,3225.65 700.26,3219.38 707.76,3213.12 v1(709.55,3215.26)
DSI_D0_P: J201.5 J801.B3 | length 1260.4
  L1 w4.28: J801.B3@466.46,3993.5 460.9,3975.76 455.35,3958.01 455.39,3949.1 466.61,3937.88 477.84,3926.65 489.07,3915.42 500.3,3904.19 506.73,3904.19 506.79,3904.19 506.91,3904.19 507.03,3904.18 507.15,3904.17 507.28,3904.16 507.4,3904.15 507.52,3904.13 507.64,3904.1 507.76,3904.08 507.88,3904.05 507.99,3904.02 508.11,3903.98 508.23,3903.95 508.34,3903.91 508.45,3903.86 508.57,3903.82 508.68,3903.77 508.79,3903.71 508.9,3903.66 509,3903.6 522.1,3896.25 535.2,3888.9 535.27,3888.86 535.38,3888.8 535.48,3888.73 535.58,3888.66 535.68,3888.59 535.78,3888.52 535.87,3888.44 535.97,3888.36 536.06,3888.28 536.15,3888.2 536.23,3888.11 536.32,3888.03 536.4,3887.94 536.48,3887.84 536.56,3887.75 536.63,3887.65 536.7,3887.56 536.77,3887.46 536.84,3887.35 536.91,3887.25 536.97,3887.14 537.03,3887.04 537.08,3886.93 537.13,3886.82 537.19,3886.71 537.23,3886.6 537.28,3886.48 537.32,3886.37 537.36,3886.25 537.39,3886.14 537.42,3886.02 537.45,3885.9 537.48,3885.78 537.5,3885.66 537.52,3885.54 537.54,3885.42 537.55,3885.3 537.56,3885.18 537.57,3885.06 537.57,3884.93 537.57,3884.81 537.57,3884.69 537.56,3884.57 537.56,3884.45 537.54,3884.32 537.53,3884.2 537.51,3884.08 537.49,3883.96 537.2,3882.49 550.92,3879.81 v1(551.45,3882.55) ; v1(700.03,3203.85) 701.82,3205.99 709.34,3199.71 716.87,3193.43 716.93,3193.38 729.56,3183.19 742.19,3173 754.42,3160.78 766.64,3148.56 778.86,3136.34 791.09,3124.11 791.17,3124.03 791.26,3123.95 791.35,3123.87 791.45,3123.79 791.54,3123.71 791.64,3123.64 791.74,3123.57 791.84,3123.5 791.95,3123.44 792.05,3123.37 792.16,3123.31 792.27,3123.26 792.37,3123.2 792.49,3123.15 792.6,3123.1 792.71,3123.06 792.83,3123.02 792.94,3122.98 793.06,3122.94 793.18,3122.91 793.29,3122.88 793.41,3122.85 793.53,3122.83 793.65,3122.81 793.77,3122.79 793.89,3122.78 794.02,3122.77 794.14,3122.76 794.26,3122.76 794.37,3122.75 813.31,3122.75 832.24,3122.75 851.18,3122.75 870.12,3122.75 889.06,3122.75 908,3122.75 908.12,3122.76 908.24,3122.76 908.37,3122.77 908.49,3122.78 908.61,3122.79 908.73,3122.81 908.85,3122.83 908.97,3122.86 909.09,3122.88 909.21,3122.91 909.32,3122.95 909.44,3122.98 909.55,3123.02 909.67,3123.07 909.78,3123.11 909.89,3123.16 910.01,3123.21 910.11,3123.26 910.22,3123.32 910.33,3123.38 910.43,3123.44 910.54,3123.51 910.64,3123.58 910.74,3123.65 910.83,3123.72 910.93,3123.8 911.02,3123.87 911.12,3123.96 911.2,3124.04 911.28,3124.11 914.72,3127.55 914.8,3127.64 914.89,3127.73 914.97,3127.82 915.04,3127.91 915.12,3128.01 915.19,3128.11 915.26,3128.21 915.33,3128.31 915.4,3128.41 915.46,3128.52 915.52,3128.62 915.57,3128.73 915.63,3128.84 915.68,3128.95 915.73,3129.06 915.77,3129.18 915.81,3129.29 915.85,3129.41 915.89,3129.52 915.92,3129.64 915.95,3129.76 915.98,3129.88 916,3130 916.02,3130.12 916.04,3130.24 916.05,3130.36 916.06,3130.48 916.07,3130.6 916.08,3130.72 916.08,3130.83 916.08,3141.14 J201.5@919.31,3150.49
  L8 w4.28: v1(551.45,3882.55) 550.92,3879.81 532.65,3883.38 532.53,3883.4 532.4,3883.42 532.28,3883.43 532.16,3883.45 532.04,3883.46 531.92,3883.46 531.8,3883.46 531.67,3883.46 531.55,3883.46 531.43,3883.45 531.31,3883.44 531.19,3883.43 531.07,3883.41 530.95,3883.39 530.83,3883.37 530.71,3883.34 530.59,3883.32 530.47,3883.28 530.36,3883.25 530.24,3883.21 530.13,3883.17 530.01,3883.12 529.9,3883.08 529.79,3883.03 529.68,3882.97 529.57,3882.92 529.46,3882.86 529.36,3882.8 529.25,3882.73 529.15,3882.66 529.05,3882.6 528.95,3882.52 528.86,3882.45 528.76,3882.37 528.67,3882.29 528.58,3882.21 528.49,3882.12 528.41,3882.04 528.32,3881.95 528.24,3881.86 528.17,3881.76 528.09,3881.67 528.02,3881.57 527.95,3881.47 527.88,3881.37 527.81,3881.27 527.75,3881.16 527.69,3881.06 527.63,3880.95 527.58,3880.84 527.53,3880.73 527.48,3880.62 527.43,3880.5 527.39,3880.39 527.35,3880.27 527.31,3880.16 527.28,3880.04 527.25,3879.92 527.22,3879.8 527.2,3879.71 526.67,3876.98 514.81,3875.48 502.95,3873.98 502.83,3873.96 502.71,3873.94 502.59,3873.92 502.47,3873.89 502.35,3873.86 502.23,3873.83 502.11,3873.79 502,3873.76 501.88,3873.71 501.77,3873.67 501.66,3873.62 501.55,3873.57 501.44,3873.52 501.33,3873.46 501.22,3873.4 501.12,3873.34 501.01,3873.27 500.91,3873.21 500.81,3873.14 500.72,3873.06 500.62,3872.99 500.53,3872.91 500.43,3872.83 500.34,3872.75 500.26,3872.66 500.17,3872.58 500.09,3872.49 500.01,3872.4 499.93,3872.3 499.85,3872.21 499.78,3872.11 499.71,3872.01 499.64,3871.91 499.58,3871.81 499.51,3871.7 499.45,3871.59 499.4,3871.49 499.34,3871.38 499.29,3871.27 499.24,3871.15 499.2,3871.04 499.16,3870.93 499.12,3870.81 499.08,3870.69 499.05,3870.58 499.02,3870.46 498.99,3870.34 498.97,3870.22 498.95,3870.1 498.93,3869.98 498.91,3869.86 498.9,3869.74 498.9,3869.62 498.89,3869.49 498.89,3869.38 498.89,3850.7 498.89,3832.03 498.89,3813.36 498.89,3794.69 498.89,3776.02 498.89,3757.35 498.89,3738.68 498.89,3738.56 498.9,3738.44 498.9,3738.32 498.91,3738.2 498.93,3738.08 498.95,3737.95 498.97,3737.83 498.99,3737.72 499.02,3737.6 499.05,3737.48 499.08,3737.36 499.12,3737.24 499.16,3737.13 499.2,3737.01 499.25,3736.9 499.29,3736.79 499.34,3736.68 499.4,3736.57 499.46,3736.46 499.52,3736.36 499.58,3736.25 499.64,3736.15 499.71,3736.05 499.78,3735.95 499.86,3735.85 499.93,3735.75 500.01,3735.66 500.09,3735.57 500.17,3735.48 500.25,3735.4 513.21,3722.44 526.18,3709.47 539.14,3696.51 539.14,3678.02 539.14,3659.53 539.14,3641.04 539.14,3622.55 539.14,3604.05 539.14,3585.56 539.14,3567.07 539.14,3548.58 539.14,3530.09 539.14,3511.6 539.14,3493.11 539.14,3474.62 539.14,3456.13 539.14,3437.64 539.14,3419.15 539.14,3400.66 539.14,3382.17 539.14,3363.67 539.14,3363.55 539.15,3363.43 539.16,3363.31 539.17,3363.19 539.18,3363.07 539.2,3362.95 539.22,3362.83 539.24,3362.71 539.27,3362.59 539.3,3362.47 539.33,3362.35 539.37,3362.24 539.41,3362.12 539.45,3362.01 539.5,3361.89 539.55,3361.78 539.6,3361.67 539.65,3361.56 539.71,3361.45 539.77,3361.35 539.83,3361.24 539.9,3361.14 539.96,3361.04 540.03,3360.94 540.11,3360.84 540.18,3360.74 540.26,3360.65 540.34,3360.56 540.43,3360.47 540.5,3360.39 553.15,3347.74 565.81,3335.09 578.46,3322.43 591.11,3309.78 603.77,3297.13 616.42,3284.47 629.07,3271.82 641.73,3259.17 654.38,3246.51 654.47,3246.43 654.56,3246.35 654.63,3246.28 665.32,3237.05 676.02,3227.83 686.71,3218.6 686.77,3218.55 694.29,3212.27 701.82,3205.99 v1(700.03,3203.85)
DSI_D1_N: J201.9 J801.B5 | length 1621.8
  L1 w4.28: J801.B5@529.45,3993.5 535,4011.22 540.56,4028.95 540.49,4033.42 531.19,4042.72 521.89,4052.02 503.24,4052.02 484.59,4052.02 465.95,4052.02 447.3,4052.02 428.65,4052.02 410,4052.02 400.33,4042.35 390.65,4032.68 380.98,4023 380.98,4004.93 380.98,3986.87 380.98,3968.8 380.98,3950.73 391.76,3939.95 402.55,3929.16 413.33,3918.38 424.11,3907.6 424.19,3907.52 424.27,3907.43 424.35,3907.34 424.43,3907.24 424.51,3907.15 424.58,3907.05 424.65,3906.95 424.72,3906.85 424.78,3906.75 424.85,3906.64 424.91,3906.54 424.96,3906.43 425.02,3906.32 425.07,3906.21 425.12,3906.1 425.16,3905.98 425.21,3905.87 425.24,3905.75 425.28,3905.64 425.31,3905.52 425.34,3905.4 425.37,3905.28 425.4,3905.16 425.42,3905.04 425.43,3904.92 425.45,3904.8 425.46,3904.68 425.47,3904.56 425.47,3904.44 425.47,3904.31 425.47,3888.28 425.47,3872.25 425.47,3856.22 425.47,3856.12 425.47,3855.99 425.46,3855.87 425.45,3855.75 425.44,3855.63 425.42,3855.51 425.4,3855.39 425.37,3855.27 425.35,3855.15 425.32,3855.03 425.29,3854.91 425.25,3854.8 425.21,3854.68 425.17,3854.57 425.12,3854.45 425.08,3854.34 425.02,3854.23 424.97,3854.12 424.91,3854.01 424.85,3853.91 424.79,3853.8 424.73,3853.7 424.66,3853.6 424.59,3853.5 424.52,3853.4 424.44,3853.3 424.36,3853.21 424.28,3853.12 424.2,3853.03 424.11,3852.94 411.07,3839.9 398.03,3826.85 384.98,3813.81 384.98,3797.48 384.98,3797.37 384.98,3797.25 384.97,3797.13 384.96,3797.01 384.95,3796.88 384.93,3796.76 384.91,3796.64 384.88,3796.52 384.86,3796.4 384.83,3796.29 384.8,3796.17 384.76,3796.05 384.72,3795.94 384.68,3795.82 384.63,3795.71 384.59,3795.6 384.53,3795.49 384.48,3795.38 384.42,3795.27 384.36,3795.16 384.3,3795.06 384.24,3794.95 384.17,3794.85 384.1,3794.75 384.03,3794.65 383.95,3794.56 383.87,3794.47 383.79,3794.37 383.71,3794.28 383.62,3794.2 376.25,3786.82 368.87,3779.44 368.87,3765.99 368.87,3752.54 374.61,3746.8 374.68,3746.72 374.77,3746.63 374.85,3746.54 374.93,3746.45 375,3746.35 375.07,3746.26 375.15,3746.16 375.21,3746.06 375.28,3745.95 375.34,3745.85 375.4,3745.74 375.46,3745.63 375.51,3745.52 375.56,3745.41 375.61,3745.3 375.66,3745.19 375.7,3745.07 375.74,3744.96 375.77,3744.84 375.81,3744.72 375.84,3744.61 375.87,3744.49 375.89,3744.37 375.91,3744.25 375.93,3744.13 375.94,3744.01 375.95,3743.88 375.96,3743.76 375.97,3743.64 375.97,3743.52 375.97,3724.97 375.97,3706.42 375.97,3687.87 375.97,3669.32 375.97,3650.77 375.97,3632.22 389.09,3619.1 402.21,3605.99 415.33,3592.87 428.45,3579.75 441.57,3566.63 454.69,3553.51 467.81,3540.39 480.92,3527.27 494.04,3514.15 507.16,3501.03 520.28,3487.91 533.4,3474.79 546.52,3461.67 559.64,3448.55 572.76,3435.43 585.88,3422.31 599,3409.19 612.12,3396.07 612.2,3395.99 612.28,3395.9 612.36,3395.81 612.44,3395.72 612.51,3395.62 612.59,3395.53 612.66,3395.43 612.73,3395.33 612.79,3395.22 612.85,3395.12 612.91,3395.01 612.97,3394.9 613.02,3394.79 613.08,3394.68 613.12,3394.57 613.17,3394.46 613.21,3394.34 613.25,3394.23 613.29,3394.11 613.32,3394 613.35,3393.88 613.38,3393.76 613.4,3393.64 613.42,3393.52 613.44,3393.4 613.45,3393.28 613.47,3393.16 613.47,3393.03 613.48,3392.91 613.48,3392.79 613.48,3374.47 613.48,3356.15 613.48,3337.83 613.48,3319.51 613.48,3301.19 613.48,3282.87 613.48,3264.54 613.48,3246.22 626.78,3232.92 640.08,3219.62 653.38,3206.32 666.68,3193.02 679.98,3179.72 693.28,3166.42 706.58,3153.12 719.88,3139.82 733.19,3126.52 746.49,3113.22 759.79,3099.92 773.09,3086.62 786.39,3073.32 803.53,3073.32 820.67,3073.32 837.82,3073.32 854.96,3073.32 872.1,3073.32 889.25,3073.32 906.39,3073.32 923.53,3073.32 940.68,3073.32 953.9,3086.54 953.9,3101.08 953.9,3115.62 953.9,3130.16 953.9,3130.22 954.04,3141.2 J201.9@950.81,3150.49